# KiCad board SmartSpin2k_Panelized.kicad_pcb (continued)
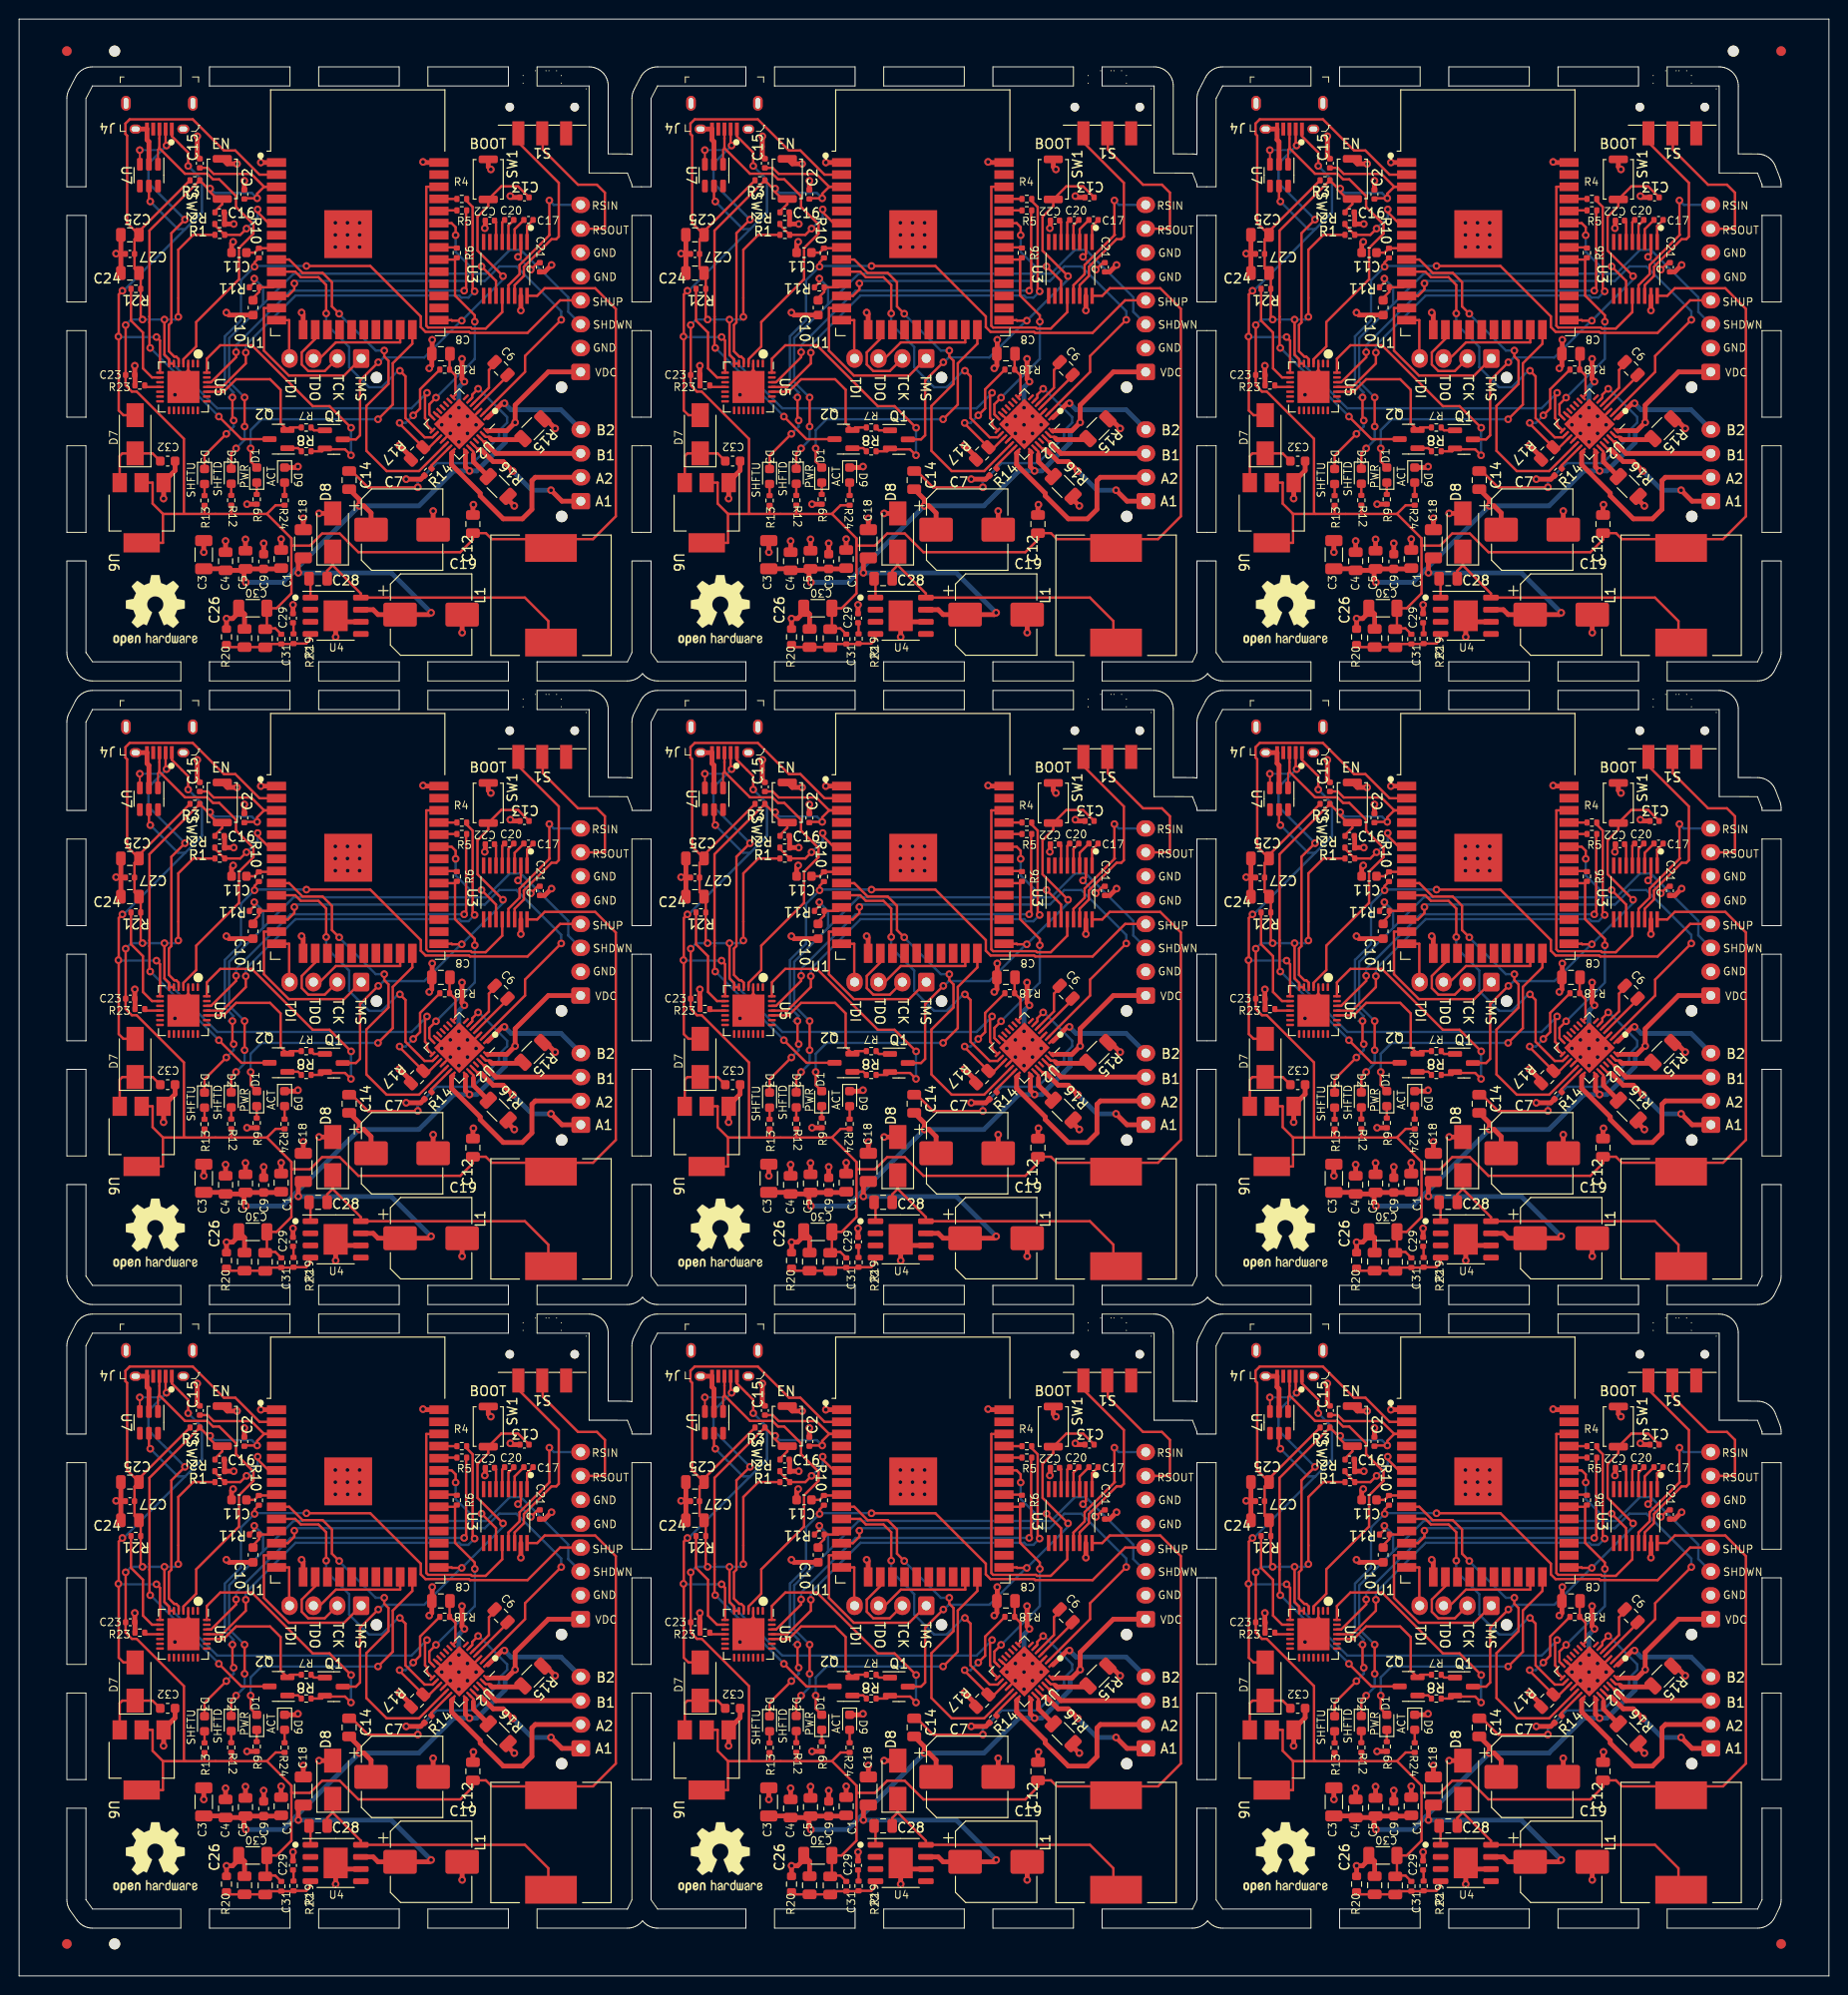
[diagram p0: board, top side]
## Routing (per net, layer and track width the routed paths; a pad name or vN(x,y) marks a point on that pad's centre or on a via; arc(x,y) is an arc through that point) (continued)
Board_2-Net-(C29-Pad1): length 1.2
  Top w0.25: R19#3.2 147.03,141.63 C29.1
Board_2-Net-(D1-Pad1): length 1.2
  Top w0.25: D1#3.1 R9#4.2
Board_2-Net-(D1-Pad2): length 28.8
  Top w0.25: v1(155.87,163) 157.41,164.54 157.41,168.86 159.46,170.91 U1.24 ; v1(142.54,159.95) 142.54,158.58 D1#3.2
  Bottom w0.25: v1(142.54,159.95) 142.54,161.86 143.68,163 v1(155.87,163)
Board_2-Net-(D2-Pad2): length 1.2
  Top w0.25: R12#5.1 D2#6.2
Board_2-Net-(D3-Pad2): length 1.2
  Top w0.25: D3.2 R13#6.2
Board_2-Net-(D9-Pad2): length 1.4
  Top w0.25: R24#5.1 D9#3.2
Board_2-Net-(J2-Pad1): length 17.8
  Top w0.25: J2#9.1 152.32,167.58 146.53,167.58 143.92,170.19 143.92,174.64 U1.13
Board_2-Net-(J2-Pad2): length 8.8
  Top w0.25: J2#9.2 150.29,168.05 148.57,168.05 147.88,168.73 147.88,170 149.3,171.42 U1.16
Board_2-Net-(J2-Pad3): length 11.1
  Top w0.25: U1.23 158.19,171.05 151.45,171.05 149.77,169.37 J2#9.3
Board_2-Net-(J2-Pad4): length 5.4
  Top w0.25: U1.14 146.57,173.37 146.57,169.37 J2#9.4
Board_2-Net-(Q1-Pad1): length 1.6
  Top w0.25: Q1.1 149.16,161.84 R7#3.1
Board_2-Net-(Q2-Pad1): length 1.6
  Top w0.25: Q2#9.1 146.4,159.98 147.51,159.98 R8#8.2
Board_2-Net-(R1-Pad2): length 9.4
  Top w0.25: R2#3.2 138.79,183.34 R1#8.2 141.45,182.31 v1(142.11,182.96) ; U1.6 144.42,183.53 143.27,184.68 v1(143.27,184.97)
  Bottom w0.25: v1(142.11,182.96) 143.27,184.13 v1(143.27,184.97)
Board_2-Net-(R4-Pad1): length 1.9
  Top w0.25: R4#6.1 162.25,186.07 U1.35
Board_2-Net-(R5-Pad1): length 1.9
  Top w0.25: U1.34 162.31,184.87 R5#9.1
Board_2-Net-(R14-Pad2): length 3
  Top w0.25: U2.20 161.47,158.16 161.47,157.85
Board_2-Net-(R17-Pad1): length 13.4
  Top w0.25: v1(159.56,163.41) 160.28,164.13 160.28,166.14 R18#4.2 ; v1(158.13,162.62) 158.13,162.54 R17.1 161.25,160.06 U2.17
  Bottom w0.25: v1(158.13,162.62) 158.76,162.62 v1(159.56,163.41)
Board_2-Net-(R21-Pad2): length 11
  Top w0.25: U5#6.9 132.21,167.38 131.26,168.33 131.26,172.08 130.01,173.33 R21#5.2
Board_2-Net-(R23-Pad2): length 1.7
  Top w0.25: U5#6.11 131.61,166.38 R23#6.2
Board_2-Net-(S1-Pad3): length 20.9
  Top w0.25: U3#7.14 170.17,177.05 171.14,178.01 171.14,178.96 174.03,181.86 174.53,181.86 174.79,182.13 174.79,187.75 170.48,192.07 170.48,192.82
Board_3-/A1: length 13.8
  Top w0.25: 48.11,94.5 48.07,94.5 U2#3.24
  Top w0.5: J1#9.1 56.83,89.12 v1(55.68,90.27) ; 48.11,94.5 48.39,94.5 49.62,93.27 50.68,93.27 v1(51.68,92.27)
  Bottom w0.5: v1(51.68,92.27) 53.68,90.27 v1(55.68,90.27)
Board_3-/A2: length 21.1
  Top w0.25: 45.4,94.27 U2#3.21
  Top w0.5: 45.4,94.27 45.27,94.14 45.27,92.95 48.27,89.95 48.27,89.68 50.68,87.27 52.68,87.27 53.68,88.27 53.68,91.27 54.03,91.62 J1#9.2
Board_3-/B1: length 11.3
  Top w0.25: 48.75,95.31 48.67,95.31 U2#3.26
  Top w0.5: J1#9.3 49.91,94.12 48.77,95.26
Board_3-/B2: length 11.7
  Top w0.25: 49.06,97.87 U2#3.1
  Top w0.5: v1(50.81,99.38) 50.56,99.38 49.06,97.87
  Bottom w0.5: v1(50.81,99.38) 51.49,98.69 56.73,98.69 J1#9.4
Board_3-/BRA: length 3.9
  Top w0.25: U2#3.23 47.55,94.3 47.55,94.02
  Top w0.5: 47.55,94.02 47.55,93.25 R16#2.2
Board_3-/BRB: length 4.5
  Top w0.25: U2#3.27 48.84,95.85 49.2,95.85 49.33,95.72
  Top w0.5: 49.33,95.72 49.49,95.56 52.63,95.56 R15#2.2
Board_3-/D+: length 35.2
  Top w0.2: 14.69,126.08 14.54,125.94 U7#2.1
  Top w0.25: J4#3.3 14.69,126.08 17.36,123.41 19.71,123.41 20.29,122.83 20.95,122.83 22.71,121.07 22.71,119.93 24.53,118.11 24.53,117.14 23.02,115.63 23.02,112.35 18.54,107.88 18.54,105.32 17.2,103.98 U5#3.4
Board_3-/D-: length 32.7
  Top w0.2: U7#2.3 12.64,125.87 v1(12.63,125.88)
  Top w0.25: v1(17.36,118.61) 15.94,117.18 15.94,107.84 15.68,107.58 15.68,104.82 16.24,104.25 16.45,104.25 16.7,104 U5#3.5 ; v1(15.43,126.36) 15.34,126.46 J4#3.2
  Bottom w0.2: v1(12.63,125.88) 14.95,125.88 v1(15.43,126.36)
  Bottom w0.25: v1(17.36,118.61) 13.54,122.43 13.54,124.47 v1(15.43,126.36)
Board_3-/DriverDIR: length 38.8
  Top w0.25: U2#3.19 41.87,92.27 38.47,92.27 36.35,94.4 36.35,99.1 38.66,101.41 38.66,103.82 38.22,104.26 v1(38.22,104.89) ; v1(33.51,108.75) 32.75,109.51 32.75,112.05 31.77,113.02 29.67,113.02 28.27,114.42 U1#4.9
  Bottom w0.25: v1(38.22,104.89) 37.33,104.89 33.51,108.72 v1(33.51,108.75)
Board_3-/DriverEN: length 47.6
  Top w0.25: U1#4.12 28.13,110.61 28.81,111.29 v1(28.81,111.92) ; v1(56.75,108.11) 52.96,104.33 52.96,102.66 U2#3.2
  Bottom w0.25: v1(28.81,111.92) 29.06,112.18 48.75,112.18 50.27,113.7 52.05,113.7 56.75,109 v1(56.75,108.11)
Board_3-/DriverSTEP: length 31.7
  Top w0.25: U1#4.10 28.91,113.15 29.49,112.57 31.33,112.57 32.14,111.76 v1(32.14,108.78) ; U2#3.16 43.28,95.8 42.46,95.8 40.45,97.81 40.45,102.19 v1(39.86,102.78)
  Bottom w0.25: v1(32.14,108.78) 32.14,107.67 34.55,105.27 34.55,103.13 36.63,101.05 37.95,101.05 39.68,102.78 v1(39.86,102.78)
Board_3-/DTR: length 28.2
  Top w0.25: v1(34.75,96.81) 32.49,99.07 30.74,99.07 24.36,105.45 21.06,105.45 19.65,104.04 U5#3.28 ; v1(34.74,93.93) 34.12,94.55 32.1,94.55 Q1#4.2 31.72,94.35 R8#5.1
  Bottom w0.25: v1(34.75,96.81) 34.74,96.8 v1(34.74,93.93)
Board_3-/EN: length 59.6
  Top w0.25: v1(20.91,97.98) 23.27,95.62 26.15,95.62 ; v1(13.72,105.17) 13.65,105.24 13.65,107.84 13.65,107.84 13.65,108.44 13.65,108.44 13.65,117.46 R3#2.2 19.78,121.85 v1(20,121.85) 20,121.5 20.73,120.77 SW2#2.2 21.27,120.23 20.51,119.47 C16#4.1 ; C2#7.1 23.58,120.76 23.66,120.84 v1(24.92,120.84) 24.92,121.32 25.65,122.04 U1#4.3 25.65,122.04 24.3,123.39 20.36,123.39 19.74,124.02 C15#3.1
  Bottom w0.25: v1(13.72,105.17) 13.75,105.17 20.91,98 v1(20.91,97.98) ; v1(24.92,120.84) 24.36,121.4 20.45,121.4 v1(20,121.85)
Board_3-/IO0_BOOT: length 44.7
  Top w0.25: v1(37.6,103.67) 35.69,101.76 35.69,96.02 35.26,95.59 Q1#4.3 ; C13#5.1 53.38,120.94 52.23,122.08 50.47,122.08 SW1#2.1 49.11,120.03 47.99,118.91 47.99,115.35 v1(50.65,112.69) ; v1(46.34,108.02) 45.32,108.02 45.27,108.07 U1#4.25
  Bottom w0.25: v1(50.65,112.69) 50.65,112.34 v1(46.34,108.02) 46.27,108.02 42.42,104.17 38.16,104.17 37.66,103.67 v1(37.6,103.67)
Board_3-/R1OUT: length 26.4
  Top w0.25: U3#3.12 50.57,108.92 48.84,107.19 47.4,107.19 47.29,107.3 42.81,107.3 42.62,107.49 42.62,122.04 U1#4.36
Board_3-/REG_5V: length 7.5
  Top w0.25: U6#8.3 10.53,93.85 10.81,94.12 D7#5.1 13.97,94.12 C32#3.2
Board_3-/RS232IN1: length 15.3
  Top w0.25: U3#3.13 51.22,111.73 52.39,112.9 52.39,113.85 55.55,117.01 55.5,117.05 v1(55.5,120.61)
  Bottom w0.25: J3#9.8 55.96,120.15 v1(55.5,120.61)
Board_3-/RS232OUT1: length 16.4
  Top w0.25: 54.68,127.52 54.82,127.38 54.82,125.95 58.5,122.26 60.48,122.26 61.32,121.42 61.32,117.61 61.28,117.65 J3#9.7
Board_3-/RTS: length 14.8
  Top w0.25: R7.2 28.36,96.84 Q2#2.2 27.37,97.28 27.37,100.78 26.27,101.89 22.71,101.89 21.4,100.58 U5#3.24
Board_3-/RXD0: length 40.2
  Top w0.25: R5#6.2 46.79,119.51 46.79,111.37 v1(46.59,111.16) ; v1(22.71,104.72) 22.71,104.19 20.1,101.58 U5#3.26
  Bottom w0.25: v1(22.71,104.72) 22.71,105.45 28.43,111.16 v1(46.59,111.16)
Board_3-/ShiftDown: length 63.9
  Top w0.25: v1(22.71,94.65) 22.2,94.14 D2#7.1 ; R11#3.2 24.62,112.03 v1(24.62,112.43) ; v1(23.6,99.98) v1(23.6,96.94)
  Bottom w0.25: 25.53,109.74 21.99,106.19 21.99,101.6 v1(23.6,99.98) ; 25.53,109.74 28.73,112.94 48.87,112.94 51.37,115.43 52.52,115.43 57.48,110.47 57.48,108.95 J3#9.3 ; 25.53,109.74 25.53,111.52 v1(24.62,112.43) ; v1(22.71,94.65) 23.6,95.54 v1(23.6,96.94)
Board_3-/ShiftUp: length 65
  Top w0.25: v1(21.69,96.17) 19.41,93.89 D3#5.1 ; J3#9.4 56.63,110.15 53.22,106.74 47.21,106.74 47.11,106.85 42.55,106.85 42.05,107.35 42.05,108.46 36.76,113.75 v1(30.08,113.75) ; R10#2.2 24.64,114.13 v1(24.64,113.68) ; v1(22.33,99.98) 22.33,97.7 v1(22.46,97.57)
  Bottom w0.25: v1(22.46,97.57) 22.46,96.94 v1(21.69,96.17) ; v1(30.08,113.75) 30.07,113.75 24.72,113.75 v1(24.64,113.68) 23.22,112.25 23.22,108.06 21.54,106.38 21.54,101.41 22.45,100.5 21.94,99.98 v1(22.33,99.98)
Board_3-/T1IN: length 11.6
  Top w0.25: U1#4.33 45.27,118.23 45.7,117.81 v1(45.7,116.97) ; U3#3.11 49.92,112.18 v1(48.41,113.7)
  Bottom w0.25: v1(48.41,113.7) 47.22,113.7 45.7,115.23 v1(45.7,116.97)
Board_3-/TMCUART1: length 21.5
  Top w0.25: v1(43.64,99.96) 42.94,99.27 42.94,98.21 U2#3.14 ; 45.63,114.42 R6#5.1 ; 45.63,114.42 U1#4.30 ; 45.63,114.42 45.63,110.65 47.7,108.58 v1(47.7,107.92)
  Bottom w0.25: v1(47.7,107.92) 47.7,104.02 v1(43.64,99.96)
Board_3-/TMCUART2: length 1.9
  Top w0.25: U1#4.31 45.76,115.69 R6#5.2
Board_3-/TXD0: length 43.5
  Top w0.25: v1(47.68,111.09) 47.48,111.3 47.48,119.92 46.85,120.55 R4#3.2 ; v1(23.73,104.68) 23.73,103.54 21.27,101.08 U5#3.25
  Bottom w0.25: v1(47.68,111.09) 47.03,110.44 46.29,110.44 46.07,110.65 28.94,110.65 23.73,105.45 v1(23.73,104.68)
Board_3-/VDC: length 92.1
  Top w0.25: U2#3.28 49.02,96.51 49.03,96.51 ; 46.72,94.32 46.72,94.34 U2#3.22
  Top w0.5: C7#8.1 36.84,87.89 36.1,88.63 v1(35.61,88.63) 35.61,89.31 C14#3.1 ; 23.54,81.88 C5#7.1 23.7,82.03 C9#9.1 27.35,82.03 C1#3.1 ; 23.54,81.88 23.54,80.81 v1(23.73,80.62) ; 23.54,81.88 C4#7.1 21.45,82.05 C3#6.1 ; U4#6.7 37.07,77.76 37.58,77.25 C19#5.1 42.93,77.25 v1(43.13,77.44) ; C18#5.1 29.23,82.66 v1(29.23,81.62) ; J3#9.1 55.4,102.65 51.92,99.18 v1(51.92,97.37) 51.06,96.51 49.03,96.51 ; v1(47.15,92.29) 46.72,92.72 46.72,94.32
  Bottom w0.5: v1(23.73,80.62) 27.6,80.62 28.91,81.93 ; 28.91,81.93 v1(35.61,88.63) 41.85,88.63 45.5,92.29 v1(47.15,92.29) 47.91,92.29 50.88,95.26 50.88,96.33 v1(51.92,97.37) ; 28.91,81.93 29.22,81.62 v1(29.23,81.62) 29.24,81.61 38.96,81.61 v1(43.13,77.44)
Board_3-GND: length 91.3
  Top w0.25: 44.24,97.68 43.7,98.23 U2#3.13 ; 17.7,102.68 U5#3.3 ; 44.93,96.04 U2#3.18 ; 47.58,97.99 U2#3.3
  Top w0.5: C13#5.2 51.55,120.93 v1(51.42,121.07) ; v1(27.43,85.15) C1#3.2 ; v1(43.34,88.09) C7#8.2 ; U7#2.2 13.59,126.76 13.39,126.97 J4#3.5 J4#3.SH ; v1(56.11,96.73) 55.11,97.74 R15#2.1 ; v1(29.19,92.75) 29.09,92.64 D9.1 ; v1(42.28,124.65) 42.43,124.65 42.5,124.58 U1#4.38 ; R16#2.1 51.18,89.29 v1(51.84,88.63) ; v1(15.12,89.39) 15.13,89.4 U6#8.1 15.13,91.13 16.32,92.33 C32#3.1 ; 17.7,102.68 17.7,101.65 v1(16.31,100.26) 16.39,100.26 U5#3.29 ; v1(55.73,113.85) 55.01,113.13 C21#2.2 ; v1(47.55,88.76) 47.5,88.71 C12#5.2 ; SW2#2.1 21.79,124.45 v1(22.81,124.45) ; C10#4.2 21.96,108.61 v1(21.7,108.88) ; C11#9.2 22.24,116.12 v1(22.41,116.28) ; R23#4.1 12.13,102.31 C23#4.2 v1(12.11,103.3) ; C3#6.2 19.33,83.78 v1(19.33,83.78) ; R17#2.2 41.02,93.75 v1(39.81,94.96) ; v1(43.24,106.02) 43.24,104.6 C8.2 43.2,103.3 v1(42.93,103.03) ; 10.65,115.01 10.65,115.05 ; 10.65,115.01 C24#9.1 ; 10.65,115.01 C27#2.2 ; 10.65,115.05 C25#3.2 ; 10.65,115.05 v1(10.15,115.05) ; U4#6.9 33.14,76.49 ; 33.14,76.49 v1(33.14,74.91) ; 33.14,76.49 U4#6.6 ; v1(25.6,84.71) C9#9.2 ; v1(21.61,84.95) C4#7.2 ; D8#8.2 31.4,87.84 v1(31.4,87.84) ; 21.71,75.74 v1(21.71,76.83) 22.34,76.83 22.98,77.47 C30.2 23.6,77.3 C26.2 ; 47.58,97.99 46.96,97.99 v1(46.94,98.01) ; v1(22.47,118.15) R2.1 21.51,119.32 C16#4.2 ; v1(25.3,124.58) U1#4.1 ; v1(52.52,109.09) U3#3.15 ; 29.75,86.14 v1(29.75,87.32) ; R9#2.1 23.86,88.81 v1(23.86,88.81) ; SW1#2.2 49.11,124.13 v1(49.38,123.86) ; v1(46.38,75.35) C19#5.2 ; 48.8,118.5 48.8,117.75 v1(48.75,117.7) ; v1(44.24,97.12) 44.24,97.68 ; v1(46.04,97.12) 46.08,97.16 U2#3.29 ; v1(40.52,91.43) 42.04,91.43 R14#3.1 ; C15#3.2 18.65,125.25 v1(18.65,127.33) ; C29#4.2 v1(28.67,78.27) ; 29.73,107.07 29.73,108.71 v1(29.57,108.88) ; v1(34.37,117) 34.45,117.08 U1#4.39 ; v1(46.61,101.64) 46.36,101.89 v1(46.36,104.02) ; v1(23.7,85.12) C5#7.2 ; 44.93,96.04 45.11,96.22 v1(45.14,96.22) ; v1(23.58,122.67) C2#7.2
  Bottom w0.5: v1(46.04,98.91) 46.04,101.06 v1(46.61,101.64)
  vias: v1(33.1,118.27) v1(33.1,117) v1(33.1,115.73) v1(34.37,118.27) v1(34.4,115.73) v1(35.64,118.27) v1(35.64,117) v1(35.64,115.73) v1(45.14,98.01) v1(46.04,95.32) v1(46.94,96.22) v1(47.83,97.12)
Board_3-Net-(C6-Pad1): length 5.4
  Top w0.25: C6.1 49.78,103.45 49.18,102.86 49.18,101 47.47,99.29 U2#3.5
Board_3-Net-(C6-Pad2): length 4.8
  Top w0.25: C6.2 51.12,102.23 U2#3.4
Board_3-Net-(C10-Pad1): length 3.6
  Top w0.25: C10#4.1 24.49,110.4 25.13,111.04 R11#3.1 26.58,111.52 U1#4.11
Board_3-Net-(C11-Pad1): length 3.4
  Top w0.25: C11#9.1 24.64,115.15 R10#2.1 26.86,115.61 U1#4.8
Board_3-Net-(C14-Pad2): length 27.3
  Top w0.25: v1(41.74,90.58) 41.72,90.56 36.53,90.56 34.82,92.27 C14#3.2 ; U2#3.6 47.44,99.96 47.44,100.28 v1(48.05,100.89)
  Bottom w0.25: v1(41.74,90.58) 41.72,90.59 41.72,91.12 43.7,93.1 47.48,93.1 50.23,95.85 50.23,96.49 51.08,97.34 51.08,97.93 48.12,100.89 v1(48.05,100.89)
Board_3-Net-(C17-Pad1): length 2.7
  Top w0.25: C17.1 51.87,117.6 U3#3.3
Board_3-Net-(C17-Pad2): length 2.6
  Top w0.25: C17.2 53.8,118.56 53.17,117.93 U3#3.1
Board_3-Net-(C20-Pad1): length 2.4
  Top w0.25: U3#3.5 50.57,118.32 C20.1
Board_3-Net-(C20-Pad2): length 2.5
  Top w0.25: U3#3.4 51.22,118 51.78,118.56 C20.2
Board_3-Net-(C21-Pad1): length 4.8
  Top w0.25: C21#2.1 54.29,114.09 v1(53.56,113.36) ; v1(52.22,114.71) 52.52,115.01 U3#3.2
  Bottom w0.25: v1(53.56,113.36) v1(52.22,114.71)
Board_3-Net-(C22-Pad1): length 2.3
  Top w0.25: 49.76,118.5 49.92,118.34 U3#3.6
Board_3-Net-(C26-Pad1): length 9.8
  Top w0.25: U4#6.4 30.5,74.65 30.06,74.21 R19#4.1 28.68,74.17 R22#3.1 26.11,74.17 C31#2.1 25.74,73.84 C26.1 21.95,73.84 R20#3.1
Board_3-Net-(C28-Pad1): length 2
  Top w0.25: C28#3.1 30.5,80.86 U4#6.1
Board_3-Net-(C28-Pad2): length 31.4
  Top w0.25: 32.83,83.05 32.83,82.4 35.77,79.46 U4#6.8 52.94,79.03 55.4,76.57 55.4,74.15 ; 32.83,83.05 D8#8.1 ; 32.83,83.05 32.83,82.42 32.25,81.84 C28#3.2
Board_3-Net-(C29-Pad1): length 1.2
  Top w0.25: R19#4.2 28.73,76.34 C29#4.1
Board_3-Net-(D1-Pad1): length 1.2
  Top w0.25: D1#7.1 R9#2.2
Board_3-Net-(D1-Pad2): length 28.8
  Top w0.25: v1(37.57,97.7) 39.11,99.24 39.11,103.56 41.16,105.61 U1#4.24 ; v1(24.24,94.65) 24.24,93.28 D1#7.2
  Bottom w0.25: v1(24.24,94.65) 24.24,96.56 25.38,97.7 v1(37.57,97.7)
Board_3-Net-(D2-Pad2): length 1.2
  Top w0.25: R12#8.1 D2#7.2
Board_3-Net-(D3-Pad2): length 1.2
  Top w0.25: D3#5.2 R13#5.2
Board_3-Net-(D9-Pad2): length 1.4
  Top w0.25: R24#6.1 D9.2
Board_3-Net-(J2-Pad1): length 17.8
  Top w0.25: J2#4.1 34.02,102.28 28.23,102.28 25.62,104.89 25.62,109.34 U1#4.13
Board_3-Net-(J2-Pad2): length 8.8
  Top w0.25: J2#4.2 31.99,102.75 30.27,102.75 29.58,103.43 29.58,104.7 31,106.12 U1#4.16
Board_3-Net-(J2-Pad3): length 11.1
  Top w0.25: U1#4.23 39.89,105.75 33.15,105.75 31.47,104.07 J2#4.3
Board_3-Net-(J2-Pad4): length 5.4
  Top w0.25: U1#4.14 28.27,108.07 28.27,104.07 J2#4.4
Board_3-Net-(Q1-Pad1): length 1.6
  Top w0.25: Q1#4.1 30.86,96.54 R7.1
Board_3-Net-(Q2-Pad1): length 1.6
  Top w0.25: Q2#2.1 28.1,94.68 29.21,94.68 R8#5.2
Board_3-Net-(R1-Pad2): length 9.4
  Top w0.25: R2.2 20.49,118.04 R1#3.2 23.15,117.01 v1(23.81,117.66) ; U1#4.6 26.12,118.23 24.97,119.38 v1(24.97,119.67)
  Bottom w0.25: v1(23.81,117.66) 24.97,118.83 v1(24.97,119.67)
Board_3-Net-(R4-Pad1): length 1.9
  Top w0.25: R4#3.1 43.95,120.77 U1#4.35
Board_3-Net-(R5-Pad1): length 1.9
  Top w0.25: U1#4.34 44.01,119.57 R5#6.1
Board_3-Net-(R14-Pad2): length 3
  Top w0.25: U2#3.20 43.16,92.86 43.16,92.55
Board_3-Net-(R17-Pad1): length 13.4
  Top w0.25: v1(41.26,98.11) 41.98,98.83 41.98,100.84 R18#3.2 ; v1(39.83,97.32) 39.83,97.24 R17#2.1 42.95,94.76 U2#3.17
  Bottom w0.25: v1(39.83,97.32) 40.46,97.32 v1(41.26,98.11)
Board_3-Net-(R21-Pad2): length 11
  Top w0.25: U5#3.9 13.91,102.08 12.96,103.03 12.96,106.78 11.71,108.03 R21#8.2
Board_3-Net-(R23-Pad2): length 1.7
  Top w0.25: U5#3.11 13.31,101.08 R23#4.2
Board_3-Net-(S1-Pad3): length 20.9
  Top w0.25: U3#3.14 51.87,111.75 52.84,112.71 52.84,113.66 55.73,116.56 56.23,116.56 56.5,116.83 56.5,122.46 52.18,126.77 52.18,127.52
Board_4-/A1: length 13.8
  Top w0.25: 107.26,94.5 107.22,94.5 U2#6.24
  Top w0.5: J1#7.1 115.98,89.12 v1(114.83,90.27) ; 107.26,94.5 107.54,94.5 108.77,93.27 109.83,93.27 v1(110.83,92.27)
  Bottom w0.5: v1(110.83,92.27) 112.83,90.27 v1(114.83,90.27)
Board_4-/A2: length 21.1
  Top w0.25: 104.55,94.27 U2#6.21
  Top w0.5: 104.55,94.27 104.42,94.14 104.42,92.95 107.42,89.95 107.42,89.68 109.83,87.27 111.83,87.27 112.83,88.27 112.83,91.27 113.18,91.62 J1#7.2
Board_4-/B1: length 11.3
  Top w0.25: 107.9,95.31 107.82,95.31 U2#6.26
  Top w0.5: J1#7.3 109.06,94.12 107.92,95.26
Board_4-/B2: length 11.7
  Top w0.25: 108.21,97.87 U2#6.1
  Top w0.5: v1(109.96,99.38) 109.71,99.38 108.21,97.87
  Bottom w0.5: v1(109.96,99.38) 110.64,98.69 115.88,98.69 J1#7.4
Board_4-/BRA: length 3.9
  Top w0.25: U2#6.23 106.7,94.3 106.7,94.02
  Top w0.5: 106.7,94.02 106.7,93.25 R16.2
Board_4-/BRB: length 4.5
  Top w0.25: U2#6.27 107.99,95.85 108.35,95.85 108.48,95.72
  Top w0.5: 108.48,95.72 108.64,95.56 111.78,95.56 R15#6.2
Board_4-/D+: length 35.2
  Top w0.2: 73.84,126.08 73.69,125.94 U7#6.1
  Top w0.25: J4#5.3 73.84,126.08 76.51,123.41 78.86,123.41 79.44,122.83 80.1,122.83 81.86,121.07 81.86,119.93 83.68,118.11 83.68,117.14 82.17,115.63 82.17,112.35 77.69,107.88 77.69,105.32 76.35,103.98 U5#2.4
Board_4-/D-: length 32.7
  Top w0.2: U7#6.3 71.79,125.87 v1(71.78,125.88)
  Top w0.25: v1(76.51,118.61) 75.09,117.18 75.09,107.84 74.83,107.58 74.83,104.82 75.39,104.25 75.6,104.25 75.85,104 U5#2.5 ; v1(74.58,126.36) 74.49,126.46 J4#5.2
  Bottom w0.2: v1(71.78,125.88) 74.1,125.88 v1(74.58,126.36)
  Bottom w0.25: v1(76.51,118.61) 72.69,122.43 72.69,124.47 v1(74.58,126.36)
Board_4-/DriverDIR: length 38.8
  Top w0.25: U2#6.19 101.02,92.27 97.62,92.27 95.5,94.4 95.5,99.1 97.81,101.41 97.81,103.82 97.37,104.26 v1(97.37,104.89) ; v1(92.66,108.75) 91.9,109.51 91.9,112.05 90.92,113.02 88.82,113.02 87.42,114.42 U1#3.9
  Bottom w0.25: v1(97.37,104.89) 96.48,104.89 92.66,108.72 v1(92.66,108.75)
Board_4-/DriverEN: length 47.6
  Top w0.25: U1#3.12 87.28,110.61 87.96,111.29 v1(87.96,111.92) ; v1(115.9,108.11) 112.11,104.33 112.11,102.66 U2#6.2
  Bottom w0.25: v1(87.96,111.92) 88.21,112.18 107.9,112.18 109.42,113.7 111.2,113.7 115.9,109 v1(115.9,108.11)
Board_4-/DriverSTEP: length 31.7
  Top w0.25: U1#3.10 88.06,113.15 88.64,112.57 90.48,112.57 91.29,111.76 v1(91.29,108.78) ; U2#6.16 102.43,95.8 101.61,95.8 99.6,97.81 99.6,102.19 v1(99.01,102.78)
  Bottom w0.25: v1(91.29,108.78) 91.29,107.67 93.7,105.27 93.7,103.13 95.78,101.05 97.1,101.05 98.83,102.78 v1(99.01,102.78)
Board_4-/DTR: length 28.2
  Top w0.25: v1(93.9,96.81) 91.64,99.07 89.89,99.07 83.51,105.45 80.21,105.45 78.8,104.04 U5#2.28 ; v1(93.89,93.93) 93.27,94.55 91.25,94.55 Q1#2.2 90.87,94.35 R8.1
  Bottom w0.25: v1(93.9,96.81) 93.89,96.8 v1(93.89,93.93)
Board_4-/EN: length 59.6
  Top w0.25: v1(80.06,97.98) 82.42,95.62 85.3,95.62 ; v1(72.87,105.17) 72.8,105.24 72.8,107.84 72.8,107.84 72.8,108.44 72.8,108.44 72.8,117.46 R3#9.2 78.93,121.85 v1(79.15,121.85) 79.15,121.5 79.88,120.77 SW2#3.2 80.42,120.23 79.66,119.47 C16#8.1 ; C2#6.1 82.73,120.76 82.81,120.84 v1(84.07,120.84) 84.07,121.32 84.8,122.04 U1#3.3 84.8,122.04 83.45,123.39 79.51,123.39 78.89,124.02 C15#5.1
  Bottom w0.25: v1(72.87,105.17) 72.9,105.17 80.06,98 v1(80.06,97.98) ; v1(84.07,120.84) 83.51,121.4 79.6,121.4 v1(79.15,121.85)
Board_4-/IO0_BOOT: length 44.7
  Top w0.25: v1(96.75,103.67) 94.84,101.76 94.84,96.02 94.41,95.59 Q1#2.3 ; C13#2.1 112.53,120.94 111.38,122.08 109.62,122.08 SW1#7.1 108.26,120.03 107.14,118.91 107.14,115.35 v1(109.8,112.69) ; v1(105.48,108.02) 104.47,108.02 104.42,108.07 U1#3.25
  Bottom w0.25: v1(109.8,112.69) 109.8,112.34 v1(105.48,108.02) 105.42,108.02 101.57,104.17 97.31,104.17 96.81,103.67 v1(96.75,103.67)
Board_4-/R1OUT: length 26.4
  Top w0.25: U3#4.12 109.72,108.92 107.99,107.19 106.55,107.19 106.44,107.3 101.96,107.3 101.77,107.49 101.77,122.04 U1#3.36
Board_4-/REG_5V: length 7.5
  Top w0.25: U6.3 69.68,93.85 69.96,94.12 D7#9.1 73.12,94.12 C32#7.2
Board_4-/RS232IN1: length 15.3
  Top w0.25: U3#4.13 110.37,111.73 111.54,112.9 111.54,113.85 114.7,117.01 114.65,117.05 v1(114.65,120.61)
  Bottom w0.25: J3#7.8 115.11,120.15 v1(114.65,120.61)
Board_4-/RS232OUT1: length 16.4
  Top w0.25: 113.83,127.52 113.97,127.38 113.97,125.95 117.65,122.26 119.63,122.26 120.47,121.42 120.47,117.61 120.43,117.65 J3#7.7
Board_4-/RTS: length 14.8
  Top w0.25: R7#9.2 87.51,96.84 Q2#5.2 86.52,97.28 86.52,100.78 85.42,101.89 81.86,101.89 80.55,100.58 U5#2.24
Board_4-/RXD0: length 40.2
  Top w0.25: R5#8.2 105.94,119.51 105.94,111.37 v1(105.74,111.16) ; v1(81.86,104.72) 81.86,104.19 79.25,101.58 U5#2.26
  Bottom w0.25: v1(81.86,104.72) 81.86,105.45 87.58,111.16 v1(105.74,111.16)
Board_4-/ShiftDown: length 63.9
  Top w0.25: v1(81.86,94.65) 81.36,94.14 D2.1 ; R11.2 83.77,112.03 v1(83.77,112.43) ; v1(82.75,99.98) v1(82.75,96.94)
  Bottom w0.25: 84.68,109.74 81.14,106.19 81.14,101.6 v1(82.75,99.98) ; 84.68,109.74 87.88,112.94 108.02,112.94 110.52,115.43 111.67,115.43 116.63,110.47 116.63,108.95 J3#7.3 ; 84.68,109.74 84.68,111.52 v1(83.77,112.43) ; v1(81.86,94.65) 82.75,95.54 v1(82.75,96.94)
Board_4-/ShiftUp: length 65
  Top w0.25: v1(80.84,96.17) 78.56,93.89 D3#4.1 ; v1(89.23,113.75) 89.23,113.75 95.91,113.75 101.2,108.46 101.2,107.35 101.7,106.85 106.26,106.85 106.36,106.74 112.37,106.74 115.78,110.15 J3#7.4 ; R10#5.2 83.79,114.13 v1(83.79,113.68) ; v1(81.48,99.98) 81.48,97.7 v1(81.61,97.57)
  Bottom w0.25: v1(81.61,97.57) 81.61,96.94 v1(80.84,96.17) ; v1(89.23,113.75) 89.22,113.75 83.87,113.75 v1(83.79,113.68) 82.37,112.25 82.37,108.06 80.69,106.38 80.69,101.41 81.6,100.5 81.09,99.98 v1(81.48,99.98)
Board_4-/T1IN: length 11.6
  Top w0.25: U1#3.33 104.42,118.23 104.85,117.81 v1(104.85,116.97) ; U3#4.11 109.07,112.18 v1(107.56,113.7)
  Bottom w0.25: v1(107.56,113.7) 106.37,113.7 104.85,115.23 v1(104.85,116.97)
Board_4-/TMCUART1: length 21.5
  Top w0.25: v1(102.79,99.96) 102.09,99.27 102.09,98.21 U2#6.14 ; 104.78,114.42 R6#6.1 ; 104.78,114.42 U1#3.30 ; 104.78,114.42 104.78,110.65 106.85,108.58 v1(106.85,107.92)
  Bottom w0.25: v1(106.85,107.92) 106.85,104.02 v1(102.79,99.96)
Board_4-/TMCUART2: length 1.9
  Top w0.25: U1#3.31 104.91,115.69 R6#6.2
Board_4-/TXD0: length 43.5
  Top w0.25: v1(106.83,111.09) 106.63,111.3 106.63,119.92 106,120.55 R4#9.2 ; v1(82.88,104.68) 82.88,103.54 80.42,101.08 U5#2.25
  Bottom w0.25: v1(106.83,111.09) 106.18,110.44 105.44,110.44 105.22,110.65 88.09,110.65 82.88,105.45 v1(82.88,104.68)
Board_4-/VDC: length 92.1
  Top w0.25: U2#6.28 108.17,96.51 108.18,96.51 ; 105.87,94.32 105.87,94.34 U2#6.22
  Top w0.5: C7#9.1 95.99,87.89 95.25,88.63 v1(94.76,88.63) 94.76,89.31 C14#8.1 ; 82.69,81.88 C5#2.1 82.85,82.03 C9#7.1 86.5,82.03 C1#6.1 ; 82.69,81.88 82.69,80.81 v1(82.88,80.62) ; 82.69,81.88 C4#9.1 80.6,82.05 C3#2.1 ; U4#4.7 96.22,77.76 96.73,77.25 C19#2.1 102.08,77.25 v1(102.28,77.44) ; C18#7.1 88.38,82.66 v1(88.38,81.62) ; J3#7.1 114.55,102.65 111.07,99.18 v1(111.07,97.37) 110.21,96.51 108.18,96.51 ; v1(106.3,92.29) 105.87,92.72 105.87,94.32
  Bottom w0.5: v1(82.88,80.62) 86.75,80.62 88.06,81.93 ; 88.06,81.93 v1(94.76,88.63) 101,88.63 104.65,92.29 v1(106.3,92.29) 107.06,92.29 110.03,95.26 110.03,96.33 v1(111.07,97.37) ; 88.06,81.93 88.37,81.62 v1(88.38,81.62) 88.39,81.61 98.11,81.61 v1(102.28,77.44)
Board_4-GND: length 91.3
  Top w0.25: 103.39,97.68 102.85,98.23 U2#6.13 ; 76.85,102.68 U5#2.3 ; 104.08,96.04 U2#6.18 ; 106.73,97.99 U2#6.3
  Top w0.5: C13#2.2 110.7,120.93 v1(110.56,121.07) ; v1(86.58,85.15) C1#6.2 ; v1(102.49,88.09) C7#9.2 ; U7#6.2 72.74,126.76 72.54,126.97 J4#5.5 J4#5.SH ; v1(115.26,96.73) 114.26,97.74 R15#6.1 ; v1(88.34,92.75) 88.24,92.64 D9#5.1 ; v1(101.43,124.65) 101.58,124.65 101.65,124.58 U1#3.38 ; R16.1 110.33,89.29 v1(110.99,88.63) ; v1(74.27,89.39) 74.28,89.4 U6.1 74.28,91.13 75.47,92.33 C32#7.1 ; 76.85,102.68 76.85,101.65 v1(75.46,100.26) 75.54,100.26 U5#2.29 ; v1(114.88,113.85) 114.16,113.13 C21.2 ; v1(106.7,88.76) 106.65,88.71 C12#6.2 ; SW2#3.1 80.94,124.45 v1(81.96,124.45) ; C10#3.2 81.11,108.61 v1(80.85,108.88) ; C11#3.2 81.39,116.12 v1(81.56,116.28) ; R23#7.1 71.28,102.31 C23#3.2 v1(71.26,103.3) ; C3#2.2 78.48,83.78 v1(78.48,83.78) ; R17#7.2 100.17,93.75 v1(98.96,94.96) ; v1(102.39,106.02) 102.39,104.6 C8#2.2 102.35,103.3 v1(102.08,103.03) ; 69.8,115.01 69.8,115.05 ; 69.8,115.01 C24#3.1 ; 69.8,115.01 C27#4.2 ; 69.8,115.05 C25.2 ; 69.8,115.05 v1(69.3,115.05) ; U4#4.9 92.29,76.49 ; 92.29,76.49 v1(92.29,74.91) ; 92.29,76.49 U4#4.6 ; v1(84.75,84.71) C9#7.2 ; v1(80.76,84.95) C4#9.2 ; D8#2.2 90.55,87.84 v1(90.55,87.84) ; 80.86,75.74 v1(80.86,76.83) 81.49,76.83 82.14,77.47 C30#3.2 82.75,77.3 C26#6.2 ; 106.73,97.99 106.11,97.99 v1(106.09,98.01) ; v1(81.62,118.15) R2#4.1 80.66,119.32 C16#8.2 ; v1(84.45,124.58) U1#3.1 ; v1(111.67,109.09) U3#4.15 ; 88.9,86.14 v1(88.9,87.32) ; R9#3.1 83.01,88.81 v1(83.01,88.81) ; SW1#7.2 108.26,124.13 v1(108.53,123.86) ; v1(105.53,75.35) C19#2.2 ; C22#5.2 107.95,117.75 v1(107.9,117.7) ; v1(103.39,97.12) 103.39,97.68 ; v1(105.19,97.12) 105.23,97.16 U2#6.29 ; v1(99.67,91.43) 101.19,91.43 R14#5.1 ; C15#5.2 77.8,125.25 v1(77.8,127.33) ; C29#9.2 v1(87.82,78.27) ; U1#3.15 88.88,108.71 v1(88.72,108.88) ; v1(93.52,117) 93.6,117.08 U1#3.39 ; v1(105.76,101.64) 105.51,101.89 v1(105.51,104.02) ; v1(82.85,85.12) C5#2.2 ; 104.08,96.04 104.26,96.22 v1(104.29,96.22) ; v1(82.73,122.67) C2#6.2